# Altium PCB monitor_panel.PcbDoc (part 2 of 2) (continued)
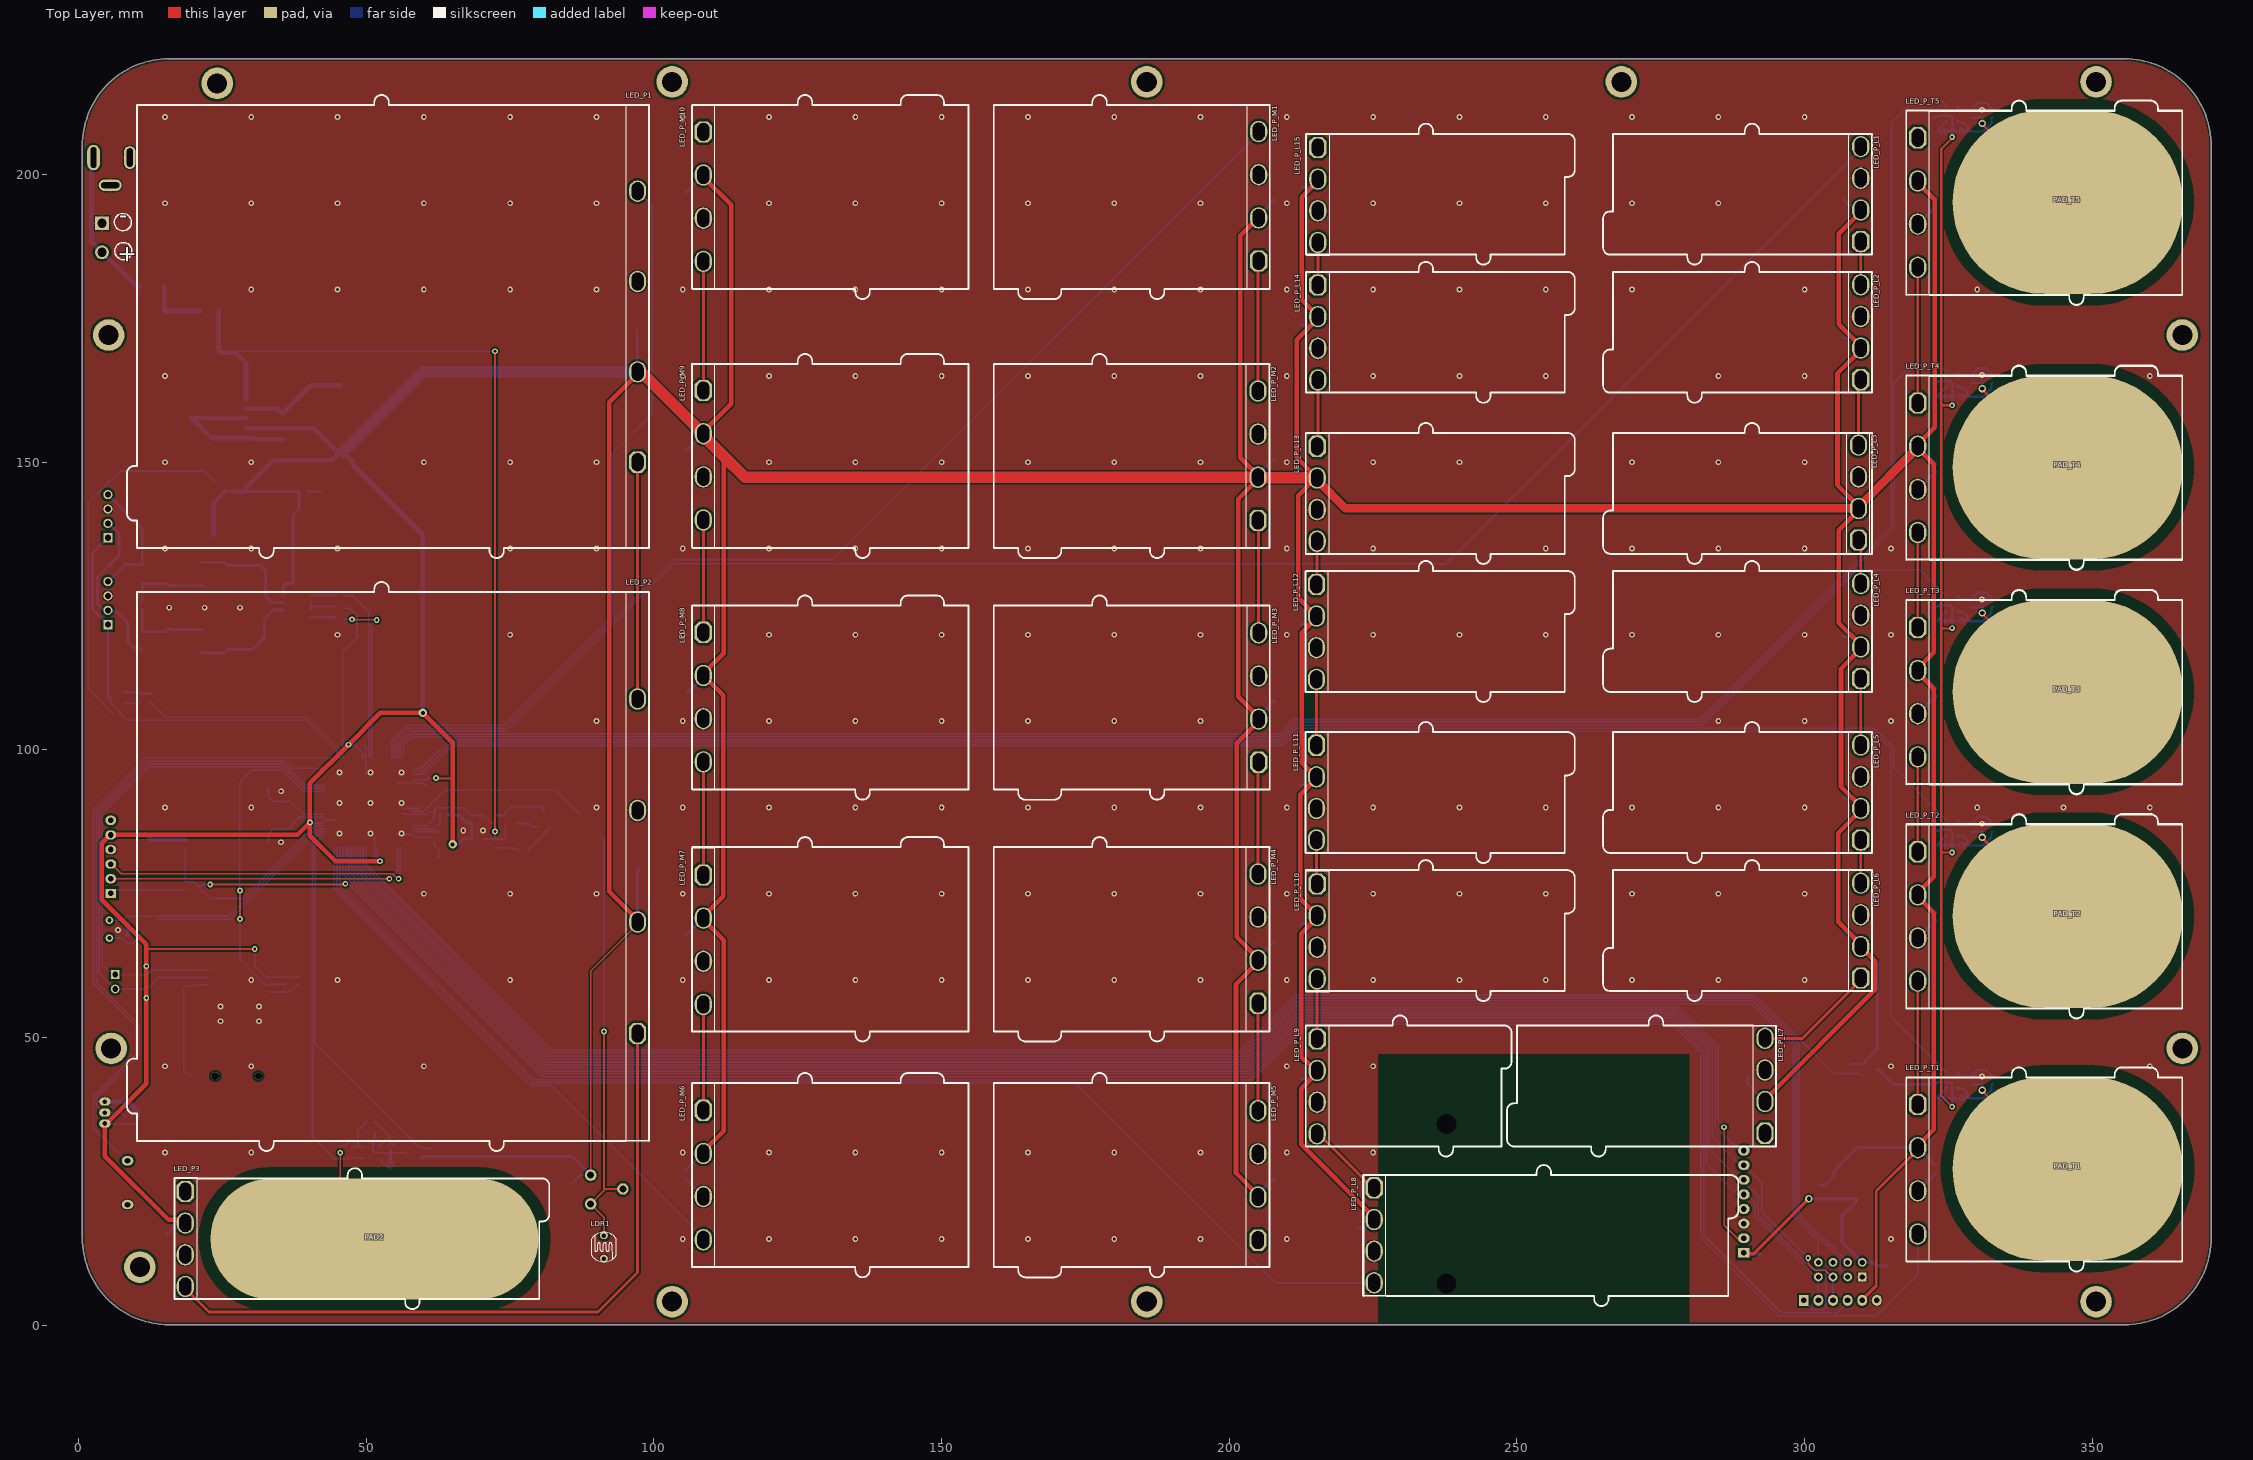
[diagram p0: Top Layer view]
## Nets (pads, with @x,y where several pads share a name; then routed paths per layer and width w, separated by ;. In a path a pad name is that pad's centre, name@x,y a point inside that pad or via, vN(x,y) a via of type N, cw(c..) or ccw(c..) an arc to the next point about the centre after c; other vN are vias at no path point) (continued)
  Bottom Layer w0.3: U2.71@54.419,98.555 54.419,101.558 57.128,104.267 73.897,104.267 92.71,123.08 92.71,151.511 99.695,158.496 99.695,194.564 LED_P1.4@97.155,197.104
LEDPACK_L_DI2: LED_P1.1 LED_P2.4 | length 41.2
  Top Layer w0.5: LED_P2.4@97.155,108.839 LED_P1.1@97.155,150.004
LEDPACK_L_DI3: LED_P2.1 LED_P3.4 | length 125
  Top Layer w0.5: LED_P3.4@18.542,6.741 18.542,6.391 22.647,2.286 90.297,2.286 97.155,9.144 LED_P2.1@97.155,50.685
LEDPACK_L_DO3: LED_P3.1
logo_touch: U2.27 U12.1 | length 64.5
  Bottom Layer w0.3: U2.27@42.669,85.305 41.757,85.305 40.636,84.184 40.636,32.77 44.453,28.953 46.846,28.953 46.907,29.014 U12.1@49.6,29.014
MISO: NRF1.7 PP1.2 rfid1.5 U2.22 | length 315.3
  Bottom Layer w0.3: U2.22@45.919,83.055 45.919,78.486 80.709,43.696 203.603,43.696 213.247,53.34 277.44,53.34 282.94,47.84 282.94,28.073 288.653,22.36 rfid1.5@289.553,22.36 ; rfid1.5@289.433,22.733 289.883,22.733 291.433,21.183 291.433,18.911 301.626,8.718 301.726,8.718 302.062,8.382 NRF1.7@302.387,8.382 PP1.2@302.387,4.318
MOSI: NRF1.6 PP1.1 rfid1.6 U2.21 | length 323.6
  Bottom Layer w0.3: U2.21@46.419,83.055 46.419,78.693 80.916,44.196 203.396,44.196 213.048,53.848 277.639,53.848 283.44,48.047 283.44,30.634 289.174,24.9 289.553,24.9 291.933,22.52 291.933,19.119 301.33,9.722 303.727,9.722 ; PP1.1@299.847,4.318 299.847,4.218 301.398,2.667 303.403,2.667 303.727,2.991 303.727,9.722 ; NRF1.6@304.927,10.922 303.727,9.722
"NetBAT 1_1": "BAT 1.1" C31.2 U6.14 | length 20.4
  Bottom Layer w0.3: 19.453,43.307 19.288,43.307 18.288,44.307 18.288,58.547 18.734,58.993 C31.2@19.939,58.993 20.09,59.144 22.552,59.144 U6.14@22.59,59.182
NetC2_T1_2: C2_T1.2 PAD_T1.1 R1_T1.2 | length 23.3
  Top Layer w0.4: v2(330.87,40.854) 330.87,40.732 344.423,27.178 PAD_T1.1@345.694,27.178
  Bottom Layer w0.4: R1_T1.2@329.043,41.84 329.056,41.828 330.82,41.828 C2_T1.2@330.832,41.815 330.87,41.778 v2(330.87,40.854)
NetC2_T2_2: C2_T2.2 PAD_T2.1 R1_T2.2 | length 23.3
  Top Layer w0.4: v2(330.87,84.796) 330.87,84.674 344.423,71.12 PAD_T2.1@345.694,71.12
  Bottom Layer w0.4: R1_T2.2@329.043,85.782 329.056,85.77 330.82,85.77 C2_T2.2@330.832,85.757 330.87,85.72 v2(330.87,84.796)
NetC2_T3_2: C2_T3.2 PAD_T3.1 R1_T3.2 | length 23.3
  Top Layer w0.4: v2(330.87,123.785) 330.87,123.663 344.423,110.109 PAD_T3.1@345.694,110.109
  Bottom Layer w0.4: R1_T3.2@329.043,124.771 329.056,124.759 330.82,124.759 C2_T3.2@330.832,124.746 330.87,124.709 v2(330.87,123.785)
NetC2_T4_2: C2_T4.2 PAD_T4.1 R1_T4.2 | length 23.3
  Top Layer w0.4: v2(330.87,162.774) 330.87,162.652 344.423,149.098 PAD_T4.1@345.694,149.098
  Bottom Layer w0.4: R1_T4.2@329.043,163.76 329.056,163.748 330.82,163.748 C2_T4.2@330.832,163.735 330.87,163.698 v2(330.87,162.774)
NetC2_T5_2: C2_T5.2 PAD_T5.1 R1_T5.2 | length 23.3
  Top Layer w0.4: v2(330.87,208.875) 330.87,208.753 344.423,195.199 PAD_T5.1@345.694,195.199
  Bottom Layer w0.4: R1_T5.2@329.043,209.861 329.056,209.849 330.82,209.849 C2_T5.2@330.832,209.836 330.87,209.799 v2(330.87,208.875)
NetC3_T1_1: C3_T1.1 U1_T1.4 W2_T1.1 | length 8.8
  Bottom Layer w0.4: U1_T1.4@326.586,41.345 326.586,41.22 326.711,41.095 327.513,41.095 328.245,40.363 328.245,39.58 W2_T1.1@328.163,39.497 ; W2_T1.1@328.338,39.497 328.388,39.447 331.023,39.447 332.471,40.895 332.471,41.72 C3_T1.1@332.621,41.87
NetC3_T1_2: C3_T1.2 R1_T1.1 U1_T1.3 | length 7.5
  Bottom Layer w0.4: U1_T1.3@326.586,43.745 326.586,43.62 326.966,43.24 329.138,43.24 329.313,43.415 329.313,43.635 330.128,44.45 331.521,44.45 332.351,43.62 332.351,43.445 332.526,43.27 C3_T1.2@332.621,43.27
NetC3_T2_1: C3_T2.1 U1_T2.4 W2_T2.1 | length 8.8
  Bottom Layer w0.4: U1_T2.4@326.586,85.287 326.586,85.162 326.711,85.037 327.513,85.037 328.245,84.305 328.245,83.522 W2_T2.1@328.163,83.439 ; W2_T2.1@328.338,83.439 328.388,83.389 331.023,83.389 332.471,84.837 332.471,85.662 C3_T2.1@332.621,85.812
NetC3_T2_2: C3_T2.2 R1_T2.1 U1_T2.3 | length 7.5
  Bottom Layer w0.4: U1_T2.3@326.586,87.687 326.586,87.562 326.966,87.182 329.138,87.182 329.313,87.357 329.313,87.577 330.128,88.392 331.521,88.392 332.351,87.562 332.351,87.387 332.526,87.212 C3_T2.2@332.621,87.212
NetC3_T3_1: C3_T3.1 U1_T3.4 W2_T3.1 | length 8.8
  Bottom Layer w0.4: U1_T3.4@326.586,124.276 326.586,124.151 326.711,124.026 327.513,124.026 328.245,123.294 328.245,122.511 W2_T3.1@328.163,122.428 ; W2_T3.1@328.338,122.428 328.388,122.378 331.023,122.378 332.471,123.826 332.471,124.651 C3_T3.1@332.621,124.801
NetC3_T3_2: C3_T3.2 R1_T3.1 U1_T3.3 | length 7.5
  Bottom Layer w0.4: U1_T3.3@326.586,126.676 326.586,126.551 326.966,126.171 329.138,126.171 329.313,126.346 329.313,126.566 330.128,127.381 331.521,127.381 332.351,126.551 332.351,126.376 332.526,126.201 C3_T3.2@332.621,126.201
NetC3_T4_1: C3_T4.1 U1_T4.4 W2_T4.1 | length 8.8
  Bottom Layer w0.4: U1_T4.4@326.586,163.265 326.586,163.14 326.711,163.015 327.513,163.015 328.245,162.283 328.245,161.5 W2_T4.1@328.163,161.417 ; W2_T4.1@328.338,161.417 328.388,161.367 331.023,161.367 332.471,162.815 332.471,163.64 C3_T4.1@332.621,163.79
NetC3_T4_2: C3_T4.2 R1_T4.1 U1_T4.3 | length 7.5
  Bottom Layer w0.4: U1_T4.3@326.586,165.665 326.586,165.54 326.966,165.16 329.138,165.16 329.313,165.335 329.313,165.555 330.128,166.37 331.521,166.37 332.351,165.54 332.351,165.365 332.526,165.19 C3_T4.2@332.621,165.19
NetC3_T5_1: C3_T5.1 U1_T5.4 W2_T5.1 | length 9
  Bottom Layer w0.4: U1_T5.4@326.586,209.366 326.586,209.241 326.711,209.116 327.513,209.116 328.338,208.292 328.338,207.518 328.388,207.468 331.023,207.468 332.471,208.916 332.471,209.741 C3_T5.1@332.621,209.891 ; W2_T5.1@328.163,207.518 W2_T5.1@328.245,207.601
NetC3_T5_2: C3_T5.2 R1_T5.1 U1_T5.3 | length 7.5
  Bottom Layer w0.4: U1_T5.3@326.586,211.766 326.586,211.641 326.966,211.261 329.138,211.261 329.313,211.436 329.313,211.656 330.128,212.471 331.521,212.471 332.351,211.641 332.351,211.466 332.526,211.291 C3_T5.2@332.621,211.291
NetC8_1: C8.1 U2.98 | length 4.7
  Bottom Layer w0.3: U2.98@58.169,85.805 62.593,85.805 C8.1@62.8,85.598
NetC10_1: C10.1 L1.2 U2.100 | length 7.2
  Bottom Layer w0.3: U2.100@58.169,84.805 61.101,84.805 61.863,84.043 61.863,83.693 61.863,83.343 62.546,82.66 C10.1@62.546,81.153
NetC18_1: C18.1 Q6.2 R22.1 | length 4.3
  Bottom Layer w0.3: R22.1@72.352,82.993 74.344,82.993 74.444,82.893 76.116,82.893 76.266,82.743 Q6.2@76.266,82.443
NetC20_2: C20.2 Q7.3 R23.1 | length 10.3
  Bottom Layer w0.3: C20.2@72.352,88.709 72.477,88.584 R23.1@74.206,88.584 74.206,89.109 75.2,90.104 80.573,90.104 80.749,89.928 80.749,89.284 Q7.3@80.899,89.134
NetC21_2: C21.2 Q7.2 R26.2 | length 4
  Bottom Layer w0.3: R26.2@76.166,87.184 78.282,87.184 78.832,86.634 Q7.2@79.949,86.634
NetC33_1: C33.1 U12.4 W4.1 | length 7.2
  Bottom Layer w0.3: C33.1@51.5,35.433 51.5,35.338 51.725,35.113 51.82,35.113 53.939,32.994 53.939,32.495 54.208,32.226 53.312,32.226 52.806,31.72 52.3,31.214 52.3,31.089 52.125,30.914 U12.4@52,30.914
NetC33_2: C33.2 R3.1 U12.3 | length 7.3
  Bottom Layer w0.3: R3.1@47.498,30.914 48.549,30.914 ; U12.3@49.6,30.914 48.549,30.914 ; C33.2@50.1,35.433 50.1,35.338 48.549,33.787 48.549,30.914
NetC38_2: C38.2 PAD2.1 R3.2 | length 21
  Top Layer w0.3: v1(45.466,29.964) 45.466,20.955 PAD2.1@51.435,14.986
  Bottom Layer w0.3: v1(45.466,29.964) C38.2@45.466,30.914 45.691,31.139 46.228,31.139 47.403,32.314 R3.2@47.498,32.314
NetD2_1: D2.1 GDT1.1 U3.7 | length 19.6
  Bottom Layer w0.5: D2.1@21.463,132.608 25.343,132.608 25.917,132.034 GDT1.1@28.067,132.034 31.669,132.034 32.512,131.191 32.512,126.746 33.694,125.564 U3.7@35.573,125.564
NetD2_3: D2.3 D3.2 F1.1 R18.1 | length 13.7
  Bottom Layer w0.5: R18.1@11.049,125.832 F1.1@11.049,128.933 15.348,128.933 D3.2@15.748,128.533 21.438,128.533 D2.3@21.463,128.558
NetD4_1: D4.1 D5.1 F2.1 R18.2 | length 14.7
  Bottom Layer w0.5: R18.2@11.049,124.432 F2.1@11.049,120.531 15.148,120.531 D4.1@15.748,121.131 15.973,120.906 D5.1@21.463,120.906
NetD5_3: D5.3 GDT2.1 U3.6 | length 19.1
  Bottom Layer w0.5: D5.3@21.463,116.856 25.343,116.856 25.917,117.43 GDT2.1@28.067,117.43 30.217,117.43 32.258,119.471 32.258,122.682 33.87,124.294 U3.6@35.573,124.294
NetD6_2: D6.2 L2.1 U4.2 | length 18.7
  Bottom Layer w0.8: U4.2@29.082,159.307 34.533,159.307 35.283,158.557 D6.2@35.433,158.557 35.583,158.557 40.433,163.407 L2.1@45.466,163.407
NetD7_A: D7.A V-IN1.1 V-IN2.2 | length 26.4
  Bottom Layer w0.8: V-IN2.2@4.064,186.476 4.091,186.476 10.1,180.467 D7.A@10.55,180.467
  Bottom Layer w0.9: V-IN1.1@2.59,202.946 2.341,202.697 2.341,200.796 2.214,200.669 2.214,188.326 V-IN2.2@4.064,186.476
NetF1_2: F1.2 RS1.4 RS2.4 | length 21.8
  Bottom Layer w0.5: RS2.4@5.08,129.255 8.058,132.233 F1.2@11.049,132.233 11.049,138.39 RS1.4@5.08,144.359
NetF2_2: F2.2 RS1.2 RS2.2 | length 29.5
  Bottom Layer w0.5: RS1.2@5.08,139.359 5.294,139.359 6.985,137.668 6.985,133.731 3.302,130.048 3.302,125.349 4.187,124.464 4.871,124.464 5.289,124.047 6.591,124.047 8.58,122.058 8.58,118.774 9.667,117.687 10.593,117.687 F2.2@11.049,117.231
NetLED1_A: LED1.A R27.2 | length 2.5
  Bottom Layer w0.4: R27.2@39.689,144.907 LED1.A@42.182,144.907
NetQ5_2: Q5.1 R14.1 R15.1 | length 4.6
  Bottom Layer w0.5: Q5.1@7.98,110.016 10.221,110.016 10.446,109.791 R14.1@12.446,109.791
NetQ6_2: Q6.1 Q7.1 | length 5.8
  Bottom Layer w0.3: Q6.1@78.166,82.443 78.166,82.743 81.607,86.184 81.699,86.184 81.849,86.334 Q7.1@81.849,86.634
NetR16_1: R16.1 U3.1 | length 4.4
  Bottom Layer w0.4: U3.1@40.373,126.834 44.426,126.834 44.601,127.009 R16.1@44.601,127.078
NetR17_1: R17.1 U3.2 U3.3 | length 5.5
  Bottom Layer w0.4: U3.3@40.373,124.294 40.373,124.929 ; U3.2@40.373,125.564 40.373,124.929 ; R17.1@44.601,124.929 40.373,124.929
NetR19_1: R19.1 U3.4 | length 4.4
  Bottom Layer w0.4: U3.4@40.373,123.024 44.426,123.024 44.601,122.849 R19.1@44.601,122.781
NetR30_1: R30.1 U6.4 | length 5.5
  Bottom Layer w0.3: U6.4@33.29,57.912 36.8,57.912 38.132,59.244 R30.1@38.227,59.244
NetSP1_1: SP1.1 U2.51 | length 115.3
  Bottom Layer w0.3: SP1.1@8.509,28.575 8.309,28.575 2.548,34.336 2.548,39.632 9.906,46.99 9.906,52.07 2.54,59.436 2.54,89.552 11.543,98.555 U2.51@44.419,98.555
NetU1_T1_6: U1_T1.6 W1_T1.2 | length 2.5
  Bottom Layer w0.4: W1_T1.2@323.109,39.497 323.409,39.797 323.409,39.943 324.686,41.22 U1_T1.6@324.686,41.345
NetU1_T2_6: U1_T2.6 W1_T2.2 | length 2.5
  Bottom Layer w0.4: W1_T2.2@323.109,83.439 323.409,83.739 323.409,83.885 324.686,85.162 U1_T2.6@324.686,85.287
NetU1_T3_6: U1_T3.6 W1_T3.2 | length 2.5
  Bottom Layer w0.4: W1_T3.2@323.109,122.428 323.409,122.728 323.409,122.874 324.686,124.151 U1_T3.6@324.686,124.276
NetU1_T4_6: U1_T4.6 W1_T4.2 | length 2.5
  Bottom Layer w0.4: W1_T4.2@323.109,161.417 323.409,161.717 323.409,161.863 324.686,163.14 U1_T4.6@324.686,163.265
NetU1_T5_6: U1_T5.6 W1_T5.2 | length 2.5
  Bottom Layer w0.4: W1_T5.2@323.109,207.518 323.409,207.818 323.409,207.964 324.686,209.241 U1_T5.6@324.686,209.366
NetU12_6: U12.6 W3.2 | length 3
  Bottom Layer w0.3: U12.6@52,29.014 52.125,29.014 53.626,27.513 53.908,27.513 W3.2@54.258,27.163
NRF_CE: NRF1.3 U2.16 | length 317.9
  Bottom Layer w0.3: U2.16@48.919,83.055 48.919,79.729 81.912,46.736 202.4,46.736 212.052,56.388 291.029,56.388 298.569,48.848 298.569,48.083 298.569,19.13 306.197,11.502 306.197,9.652 NRF1.3@307.467,8.382
NRF_IRQ: NRF1.8 U2.17 | length 313.5
  Bottom Layer w0.3: U2.17@48.419,83.055 48.419,79.522 81.713,46.228 202.599,46.228 212.251,55.88 290.83,55.88 298.069,48.641 298.069,18.923 302.387,14.605 NRF1.8@302.387,10.922
PACK32_DO16: LED_P_M1.1 LED_P_M2.4 | length 22.6
  Top Layer w0.5: LED_P_M2.4@204.978,162.38 204.978,184.838 LED_P_M1.1@205.105,184.965
PACK32_DO17: LED_P_M2.1 LED_P_M3.4 | length 19.6
  Top Layer w0.5: LED_P_M2.1@204.978,139.88 205.105,139.753 LED_P_M3.4@205.105,120.343
PACK32_DO18: LED_P_M3.1 LED_P_M4.4 | length 19.5
  Top Layer w0.5: LED_P_M4.4@204.978,78.433 204.978,97.716 LED_P_M3.1@205.105,97.843
PACK32_DO19: LED_P_M4.1 LED_P_M5.4 | length 18.6
  Top Layer w0.5: LED_P_M5.4@204.978,37.285 LED_P_M4.1@204.978,55.933
PACK32_DO20: LED_P_M5.1
PACK32_DO21: LED_P_M6.1 LED_P_M7.4 | length 18.4
  Top Layer w0.5: LED_P_M6.1@108.585,37.352 LED_P_M7.4@108.585,55.753
PACK32_DO22: LED_P_M7.1 LED_P_M8.4 | length 19.7
  Top Layer w0.5: LED_P_M7.1@108.585,78.253 LED_P_M8.4@108.585,97.917
PACK32_DO23: LED_P_M8.1 LED_P_M9.4 | length 19.5
  Top Layer w0.5: LED_P_M8.1@108.585,120.417 LED_P_M9.4@108.585,139.954
PACK32_DO24: LED_P_M9.1 LED_P_M10.4 | length 22.5
  Top Layer w0.5: LED_P_M9.1@108.585,162.454 LED_P_M10.4@108.585,184.905
PACK32_DO25: LED_P_M10.1
PACK32t_DO26: LED_P_T1.1 LED_P_T2.4 | length 21.4
  Top Layer w0.5: LED_P_T1.1@319.659,38.354 LED_P_T2.4@319.659,59.796
PACK32t_DO27: LED_P_T2.1 LED_P_T3.4 | length 16.5
  Top Layer w0.5: LED_P_T2.1@319.659,82.296 LED_P_T3.4@319.659,98.785
PACK32t_DO28: LED_P_T3.1 LED_P_T4.4 | length 16.5
  Top Layer w0.5: LED_P_T3.1@319.659,121.285 LED_P_T4.4@319.659,137.774
PACK32t_DO29: LED_P_T4.1 LED_P_T5.4 | length 23.6
  Top Layer w0.5: LED_P_T4.1@319.659,160.274 LED_P_T5.4@319.659,183.875
PACK32t_DO30: LED_P_T5.1
PACK_DI2: LED_P_L1.1 LED_P_L2.4 | length 7.5
  Top Layer w0.5: LED_P_L2.4@309.753,180.838 LED_P_L1.1@309.753,188.341
PACK_DI3: LED_P_L2.1 LED_P_L3.4 | length 11.5
  Top Layer w0.5: LED_P_L3.4@309.372,152.963 309.372,163.957 LED_P_L2.1@309.753,164.338
PACK_DI4: LED_P_L3.1 LED_P_L4.4 | length 7.7
  Top Layer w0.5: LED_P_L3.1@309.372,136.463 309.753,136.082 LED_P_L4.4@309.753,128.895
PACK_DI5: LED_P_L4.1 LED_P_L5.4 | length 11.6
  Top Layer w0.5: LED_P_L5.4@309.753,100.828 LED_P_L4.1@309.753,112.395
PACK_DI6: LED_P_L5.1 LED_P_L6.4 | length 7.5
  Top Layer w0.5: LED_P_L6.4@309.753,76.83 LED_P_L5.1@309.753,84.328
PACK_DI7: LED_P_L6.1 LED_P_L7.4 | length 21.2
  Top Layer w0.5: LED_P_L7.4@293.116,49.863 299.636,49.863 309.753,59.98 LED_P_L6.1@309.753,60.33
PACK_DI9: LED_P_L8.1 LED_P_L9.4 | length 13.8
  Top Layer w0.5: LED_P_L9.4@215.265,33.261 215.522,33.261 224.917,23.866 LED_P_L8.1@225.171,23.866
PACK_DI10: LED_P_L9.1 LED_P_L10.4 | length 10.4
  Top Layer w0.5: LED_P_L9.1@215.265,49.761 LED_P_L10.4@215.265,60.185
PACK_DI11: LED_P_L10.1 LED_P_L11.4 | length 7.7
  Top Layer w0.5: LED_P_L11.4@215.138,84.315 215.138,76.812 LED_P_L10.1@215.265,76.685
PACK_DI12: LED_P_L11.1 LED_P_L12.4 | length 11.4
  Top Layer w0.5: LED_P_L11.1@215.138,100.815 LED_P_L12.4@215.138,112.255
PACK_DI13: LED_P_L12.1 LED_P_L13.4 | length 7.6
  Top Layer w0.5: LED_P_L12.1@215.138,128.755 215.265,128.882 LED_P_L13.4@215.265,136.258
PACK_DI14: LED_P_L13.1 LED_P_L14.4 | length 11.6
  Top Layer w0.5: LED_P_L13.1@215.265,152.758 215.392,152.885 LED_P_L14.4@215.392,164.299
PACK_DI15: LED_P_L14.1 LED_P_L15.4 | length 7.4
  Top Layer w0.5: LED_P_L14.1@215.392,180.799 LED_P_L15.4@215.392,188.201
PACK_DO7: LED_P_L7.1
PACK_DO15: LED_P_L15.1
photo: LDR1.2 POT1.1 POT1.3 U2.91 | length 112.4
  Top Layer w0.3: LDR1.2@91.302,15.581 91.302,18.773 POT1.1@89.001,21.074 91.451,23.524 ; v1(91.313,51.054) 91.313,23.662 91.451,23.524 ; POT1.3@94.601,23.674 91.601,23.674 91.451,23.524
  Bottom Layer w0.3: U2.91@58.169,89.305 59.968,89.305 63.627,92.964 82.931,92.964 91.313,84.582 v1(91.313,51.054)
req_to_send: R14.2 U2.53 | length 37.9
  Bottom Layer w0.3: R14.2@12.446,108.391 15.173,105.664 39.751,105.664 45.419,99.996 U2.53@45.419,98.555
Reset: C5.2 PP1.4 R10.1 rst1.1 rst1.2 U2.30 | length 382.1
  Top Layer w0.3: v1(22.858,76.613) 46.252,76.613 v1(46.358,76.718)
  Bottom Layer w0.3: R10.1@18.542,82.985 C5.2@18.542,77.035 20.116,77.035 20.991,76.16 rst1.2@20.991,76.035 ; v1(22.858,76.613) 21.569,76.613 rst1.2@20.991,76.035 ; U2.30@42.669,86.805 41.136,86.805 28.499,74.168 22.858,74.168 21.616,75.41 21.491,75.41 20.991,75.91 rst1.2@20.991,76.035 ; v1(46.358,76.718) 46.418,76.658 47.04,76.658 80.502,43.196 203.81,43.196 213.446,52.832 277.241,52.832 282.44,47.633 282.44,15.629 295.918,2.151 305.681,2.151 307.467,3.937 PP1.4@307.467,4.318
RFID_CS: rfid1.8 U2.19 | length 282.1
  Bottom Layer w0.3: U2.19@47.419,83.055 47.419,79.107 81.298,45.228 203.014,45.228 212.642,54.856 278.045,54.856 284.44,48.461 284.44,34.545 289.005,29.98 rfid1.8@289.103,29.98
RFID_RST: rfid1.2 U2.18 | length 297.2
  Top Layer w0.3: v1(286.004,34.417) 286.004,17.389 288.544,14.849 rfid1.2@288.994,14.849
  Bottom Layer w0.3: U2.18@47.919,83.055 47.919,79.315 81.506,45.728 202.807,45.728 212.451,55.372 278.237,55.372 284.94,48.669 284.94,35.67 286.004,34.606 v1(286.004,34.417)
RS48_busy: D1.2 Q5.3 R13.2 RS1.1 RS2.1 U2.52 | length 75.7
  Bottom Layer w0.3: Q5.3@5.48,109.066 5.48,108.218 7.651,106.047 R13.2@7.651,105.952 ; R13.2@7.431,106.172 R13.2@7.651,105.952 ; U2.52@44.919,98.555 44.919,99.789 39.552,105.156 8.447,105.156 R13.2@7.651,105.952
  Bottom Layer w0.5: RS1.1@5.08,136.859 2.413,134.192 2.413,124.422 RS2.1@5.08,121.755 D1.2@5.08,113.392 5.08,109.166 5.18,109.066 Q5.3@5.48,109.066
RX0: Bluetooth1.3 U2.2 | length 56.7
  Top Layer w0.3: Bluetooth1.3@5.588,80.137 5.738,80.137 7.428,78.447 54.569,78.447 55.419,77.597 v1(55.628,77.597)
  Bottom Layer w0.3: v1(55.628,77.597) 55.628,77.786 55.919,78.078 U2.2@55.919,83.055
RX485: R16.2 U2.63 | length 31.2
  Bottom Layer w0.3: R16.2@46.001,127.078 46.001,126.983 46.226,126.758 47.683,126.758 50.419,124.021 U2.63@50.419,98.555
RX_b: Bluetooth1.2 U2.3 | length 54.5
  Top Layer w0.3: Bluetooth1.2@5.588,77.597 v1(54.007,77.597)
  Bottom Layer w0.3: v1(54.007,77.597) 55.419,79.009 U2.3@55.419,83.055
SCK: NRF1.5 PP1.3 rfid1.7 U2.20 | length 316.1
  Top Layer w0.3: v1(300.609,11.684) 300.609,10.704 301.774,9.539 303.586,9.539 304.743,8.382 NRF1.5@304.927,8.382
  Bottom Layer w0.3: U2.20@46.919,83.055 46.919,78.9 81.091,44.728 203.221,44.728 212.849,54.356 277.838,54.356 283.94,48.254 283.94,32.701 289.201,27.44 289.904,27.44 292.551,24.793 292.551,19.742 v1(300.609,11.684) ; PP1.3@304.927,4.318 NRF1.5@304.927,8.382
SCL: I1.1 R20.2 U2.43 U6.16 | length 89.3
  Bottom Layer w0.3: I1.1@6.35,60.94 5.822,61.468 5.334,61.468 4.04,62.762 4.04,88.931 12.164,97.055 35.541,97.055 39.291,93.305 U2.43@42.669,93.305 ; I1.1@6.395,60.895 R20.2@11.811,60.895 11.906,60.895 12.733,61.722 U6.16@22.59,61.722
SDA: I1.2 R21.2 U2.44 U6.15 | length 93.2
  Bottom Layer w0.3: U6.15@22.59,60.452 14,60.452 11.906,58.358 R21.2@11.811,58.358 11.77,58.399 6.391,58.399 3.54,61.25 3.54,89.138 11.708,97.306 11.957,97.555 35.748,97.555 39.498,93.805 U2.44@42.669,93.805
state: Bluetooth1.1 C5.1 | length 13.2
  Bottom Layer w0.3: Bluetooth1.1@5.588,75.057 6.166,75.635 C5.1@18.542,75.635
touch1: U1_T1.1 U2.78 | length 321.6
  Bottom Layer w0.3: U2.78@58.169,95.805 59.991,95.805 64.953,100.767 209.369,100.767 211.853,103.251 311.912,103.251 314.968,100.195 314.968,53.588 324.686,43.87 U1_T1.1@324.686,43.745
touch2: U1_T2.1 U2.77 | length 278.3
  Bottom Layer w0.3: U2.77@58.169,96.305 59.784,96.305 64.746,101.267 209.162,101.267 211.646,103.751 312.119,103.751 315.468,100.402 315.468,97.03 324.686,87.812 U1_T2.1@324.686,87.687
touch3: U1_T3.1 U2.76 | length 282.8
  Bottom Layer w0.3: U2.76@58.169,96.805 59.577,96.805 64.539,101.767 208.955,101.767 211.455,104.267 282.084,104.267 309.135,131.318 320.044,131.318 324.386,126.976 324.511,126.976 324.686,126.801 U1_T3.1@324.686,126.676
touch4: U1_T4.1 U2.75 | length 313.3
  Bottom Layer w0.3: U2.75@56.419,98.555 56.419,100.73 57.956,102.267 208.748,102.267 211.256,104.775 281.885,104.775 315.587,138.477 315.587,163.822 318.643,166.878 323.473,166.878 324.386,165.965 324.511,165.965 324.686,165.79 U1_T4.1@324.686,165.665
touch5: U1_T5.1 U2.74 | length 359.5
  Bottom Layer w0.3: U2.74@55.919,98.555 55.919,100.937 57.749,102.767 208.541,102.767 211.049,105.275 281.678,105.275 315.087,138.684 315.087,208.993 319.327,213.233 323.344,213.233 324.511,212.066 324.686,211.891 U1_T5.1@324.686,211.766
touch_logo_on: Q2.1 R2.2 U2.26 | length 64.8
  Bottom Layer w0.3: U2.26@42.669,84.805 42.069,84.805 42.069,84.746 41.136,83.813 41.136,48.907 Q2.1@59.004,31.039 ; Q2.1@59.004,31.08 59.154,30.93 Q2.1@59.454,30.93 59.754,30.93 59.979,30.706 R2.2@61.506,30.706
touch_on: Q1.1 R1.2 U2.14 | length 286.2
  Bottom Layer w0.3: U2.14@49.919,83.055 49.919,80.143 82.318,47.744 201.994,47.744 211.638,57.388 291.443,57.388 299.569,49.262 305.081,43.75 R1.2@307.721,43.75 309.477,43.75 309.727,43.5 Q1.1@310.027,43.5
TTP_VDD: C37.2 Q2.3 U12.5 W3.1 W4.2 | length 11.1
  Bottom Layer w0.3: C37.2@51.5,33.548 51.5,32.664 51.15,32.314 51.15,30.19 51.282,30.058 51.906,30.058 U12.5@52,29.964 54.233,29.964 56.937,29.964 Q2.3@56.954,29.981
  Bottom Layer w0.5: W4.2@54.208,30.526 54.233,30.501 54.233,29.972 54.233,28.888 W3.1@54.258,28.863
TTP_VDD_T1: C1_T1.2 C1_T2.2 C1_T3.2 C1_T4.2 C1_T5.2 Q1.3 U1_T1.5 U1_T2.5 U1_T3.5 U1_T4.5 U1_T5.5 W1_T1.1 W1_T2.1 W1_T3.1 W1_T4.1 W1_T5.1 W2_T1.2 W2_T2.2 W2_T3.2 W2_T4.2 W2_T5.2 | length 230.7
  Top Layer w0.4: 323.83,159.885 v1(325.636,159.885) ; v1(325.636,37.965) 323.727,39.874 323.727,82.169 ; v1(325.636,82.169) 323.727,82.169 ; v1(325.636,121.158) 325.557,121.079 323.727,121.079 ; v1(325.636,206.501) 325.636,206.338 323.727,204.429 323.727,121.079 ; 323.727,82.169 323.727,121.079
  Bottom Layer w0.4: C1_T1.2@322.461,41.845 322.636,42.02 322.906,42.02 323.081,42.195 325.277,42.195 325.511,41.961 325.511,41.47 U1_T1.5@325.636,41.345 325.636,39.497 ; C1_T2.2@322.461,85.787 322.636,85.962 323.309,85.962 323.484,86.137 325.277,86.137 325.636,85.778 U1_T2.5@325.636,85.287 325.636,83.439 ; C1_T3.2@322.461,124.776 322.636,124.951 323.309,124.951 323.484,125.126 325.277,125.126 325.636,124.767 U1_T3.5@325.636,124.276 325.636,122.428 ; C1_T4.2@322.461,163.765 322.636,163.94 323.309,163.94 323.484,164.115 325.277,164.115 325.636,163.756 U1_T4.5@325.636,163.265 325.636,161.417 ; C1_T5.2@322.461,209.866 322.636,210.041 323.309,210.041 323.484,210.216 325.277,210.216 325.636,209.857 U1_T5.5@325.636,209.366 325.636,207.518 ; W1_T1.1@324.809,39.497 325.636,39.497 ; W1_T2.1@324.809,83.439 325.636,83.439 ; W1_T3.1@324.809,122.428 325.636,122.428 ; W1_T4.1@324.809,161.417 325.636,161.417 ; W1_T5.1@324.809,207.518 325.636,207.518 ; v1(325.636,37.965) 325.636,39.497 ; v1(325.636,82.169) 325.636,83.439 ; v1(325.636,121.158) 325.636,122.428 ; v1(325.636,159.885) 325.636,161.417 ; v1(325.636,206.501) 325.636,207.518 ; W2_T1.2@326.463,39.497 325.636,39.497 ; W2_T2.2@326.463,83.439 325.636,83.439 ; W2_T3.2@326.463,122.428 325.636,122.428 ; W2_T4.2@326.463,161.417 325.636,161.417 ; W2_T5.2@326.463,207.518 325.636,207.518
  Bottom Layer w0.5: Q1.3@312.527,44.45 312.827,44.45 315.432,41.845 C1_T1.2@322.461,41.845
TX485: R19.2 U2.64 | length 30.4
  Top Layer w0.3: v1(47.498,122.682) 47.561,122.618 51.752,122.618 v1(51.816,122.555)
  Bottom Layer w0.3: R19.2@46.001,122.686 R19.2@46.001,122.781 46.1,122.682 v1(47.498,122.682) ; U2.64@50.919,98.555 50.919,121.658 v1(51.816,122.555)
VCC24_In: D7.C D8.C F3.1 | length 10.4
  Bottom Layer w0.8: D7.C@14.85,180.467 D8.C@14.85,176.275 F3.1@21.083,176.275
whitenoise: C20.1 R24.1 R25.2 U2.96 | length 17.4
  Bottom Layer w0.3: U2.96@58.169,86.805 60.468,86.805 61.863,88.2 61.863,89.527 62.252,89.916 66.899,89.916 68.231,88.584 R24.1@68.326,88.584 R25.2@70.286,88.584 70.381,88.584 71.581,87.384 72.027,87.384 C20.1@72.352,87.059
XTAL1: C3.2 U2.34 Y1.2 | length 12.4
  Bottom Layer w0.3: Y1.2@33.02,93.396 33.02,91.871 33.87,91.021 C3.2@36.703,91.021 36.798,91.021 39.014,88.805 U2.34@42.669,88.805
XTAL2: C6.2 U2.33 Y1.1 | length 12.7
  Bottom Layer w0.3: Y1.1@33.02,83.896 33.02,85.421 33.87,86.271 36.798,86.271 37.023,86.496 37.023,86.982 38.346,88.305 U2.33@42.669,88.305
pads on no net: "BAT 1." D2.2 D5.2 Q6.3 rfid1.4 rfid1.SC U2.1 U2.4 U2.5 U2.6 U2.7 U2.8 U2.9 U2.12 U2.13 U2.35 U2.36 U2.37 U2.38 U2.39 U2.40 U2.41 U2.45 U2.46 U2.47 U2.48 U2.49 U2.55 U2.56 U2.57 U2.58 U2.59 U2.60 U2.65 U2.66 U2.67 U2.68 U2.69 U2.70 U2.79 U2.82 U2.83 U2.84 U2.85 U2.86 U2.87 U2.88 U2.89 U2.93 U2.94 U2.95 U6.1

## Polygon pours and split planes (outlines as drawn)
GND on Bottom Layer "GND_L02_P001" (solid, remove dead copper, pour order 1): 0,0 0,220.599 370.967,220.599 371.475,220.091 371.475,0
GND on Top Layer "GND_L01_P000" (solid, remove dead copper, pour order 0): 0,0 0,220.599 370.967,220.599 371.475,220.091 371.475,0

## Keep-outs
Keep-Out Layer:
  the board outline again, w0.2

## Silkscreen, mask and mechanical layers (free items; w line width, h text height)
Top Overlay:
  drawing of 1444 lines, arcs and shapes, not listed
  text "-" at 7.101,190.553 h5
  text "+" at 6.152,187.79 h5 r270
Bottom Overlay:
  lines w0.254: 9.175,191.912 ccw(c7.701,191.716) 9.179,191.88 ; 9.244,186.886 ccw(c7.77,186.69) 9.248,186.854 ; 5.411,181.425 ccw(c3.937,181.229) 5.415,181.393 cw(c3.937,181.229) 5.411,181.425
  text "-" at 7.101,190.553 h5
  text "+" at 6.152,187.79 h5 r270
  text "+" at 2.319,182.329 h5 r270
  text "+" at 2.319,182.329 h5 r270
Top Solder:
  lines w0.4: 247.309,31.1 247.309,44.6
Mechanical 1:
  drawing of 1265 lines, arcs and shapes, not listed
Mechanical 3:
  drawing of 1605 lines, arcs and shapes, not listed
Mechanical 4:
  drawing of 790 lines, arcs and shapes, not listed

## Text inside footprints (layer, text, board x,y; h text height)
C22: Bottom Overlay "+" at 24.833,167.937 h1 r180
C23: Bottom Overlay "+" at 25.433,143.707 h2 r180
rfid1: Bottom Overlay "3.3V" at 287.674,11.861 h1.52; Bottom Overlay "IRQ" at 287.674,19.489 h1.52; Bottom Overlay "RST" at 287.674,14.404 h1.52; Bottom Overlay "MOSI" at 287.674,24.575 h1.52; Bottom Overlay "MISO" at 287.674,22.032 h1.52; Bottom Overlay "GND" at 287.674,16.947 h1.52; Bottom Overlay "SCK" at 287.674,27.118 h1.52; Bottom Overlay "SDA" at 287.674,29.64 h1.52; Bottom Overlay "RFID" at 254.642,22.979 h1.52 r90
U7: Bottom Overlay "1" at 6.096,39.497 h1.5 r180; Bottom Overlay "3" at 6.096,35.814 h1.5 r180